# KiCad board PSEC5_Ctrl_Board.kicad_pcb (continued)
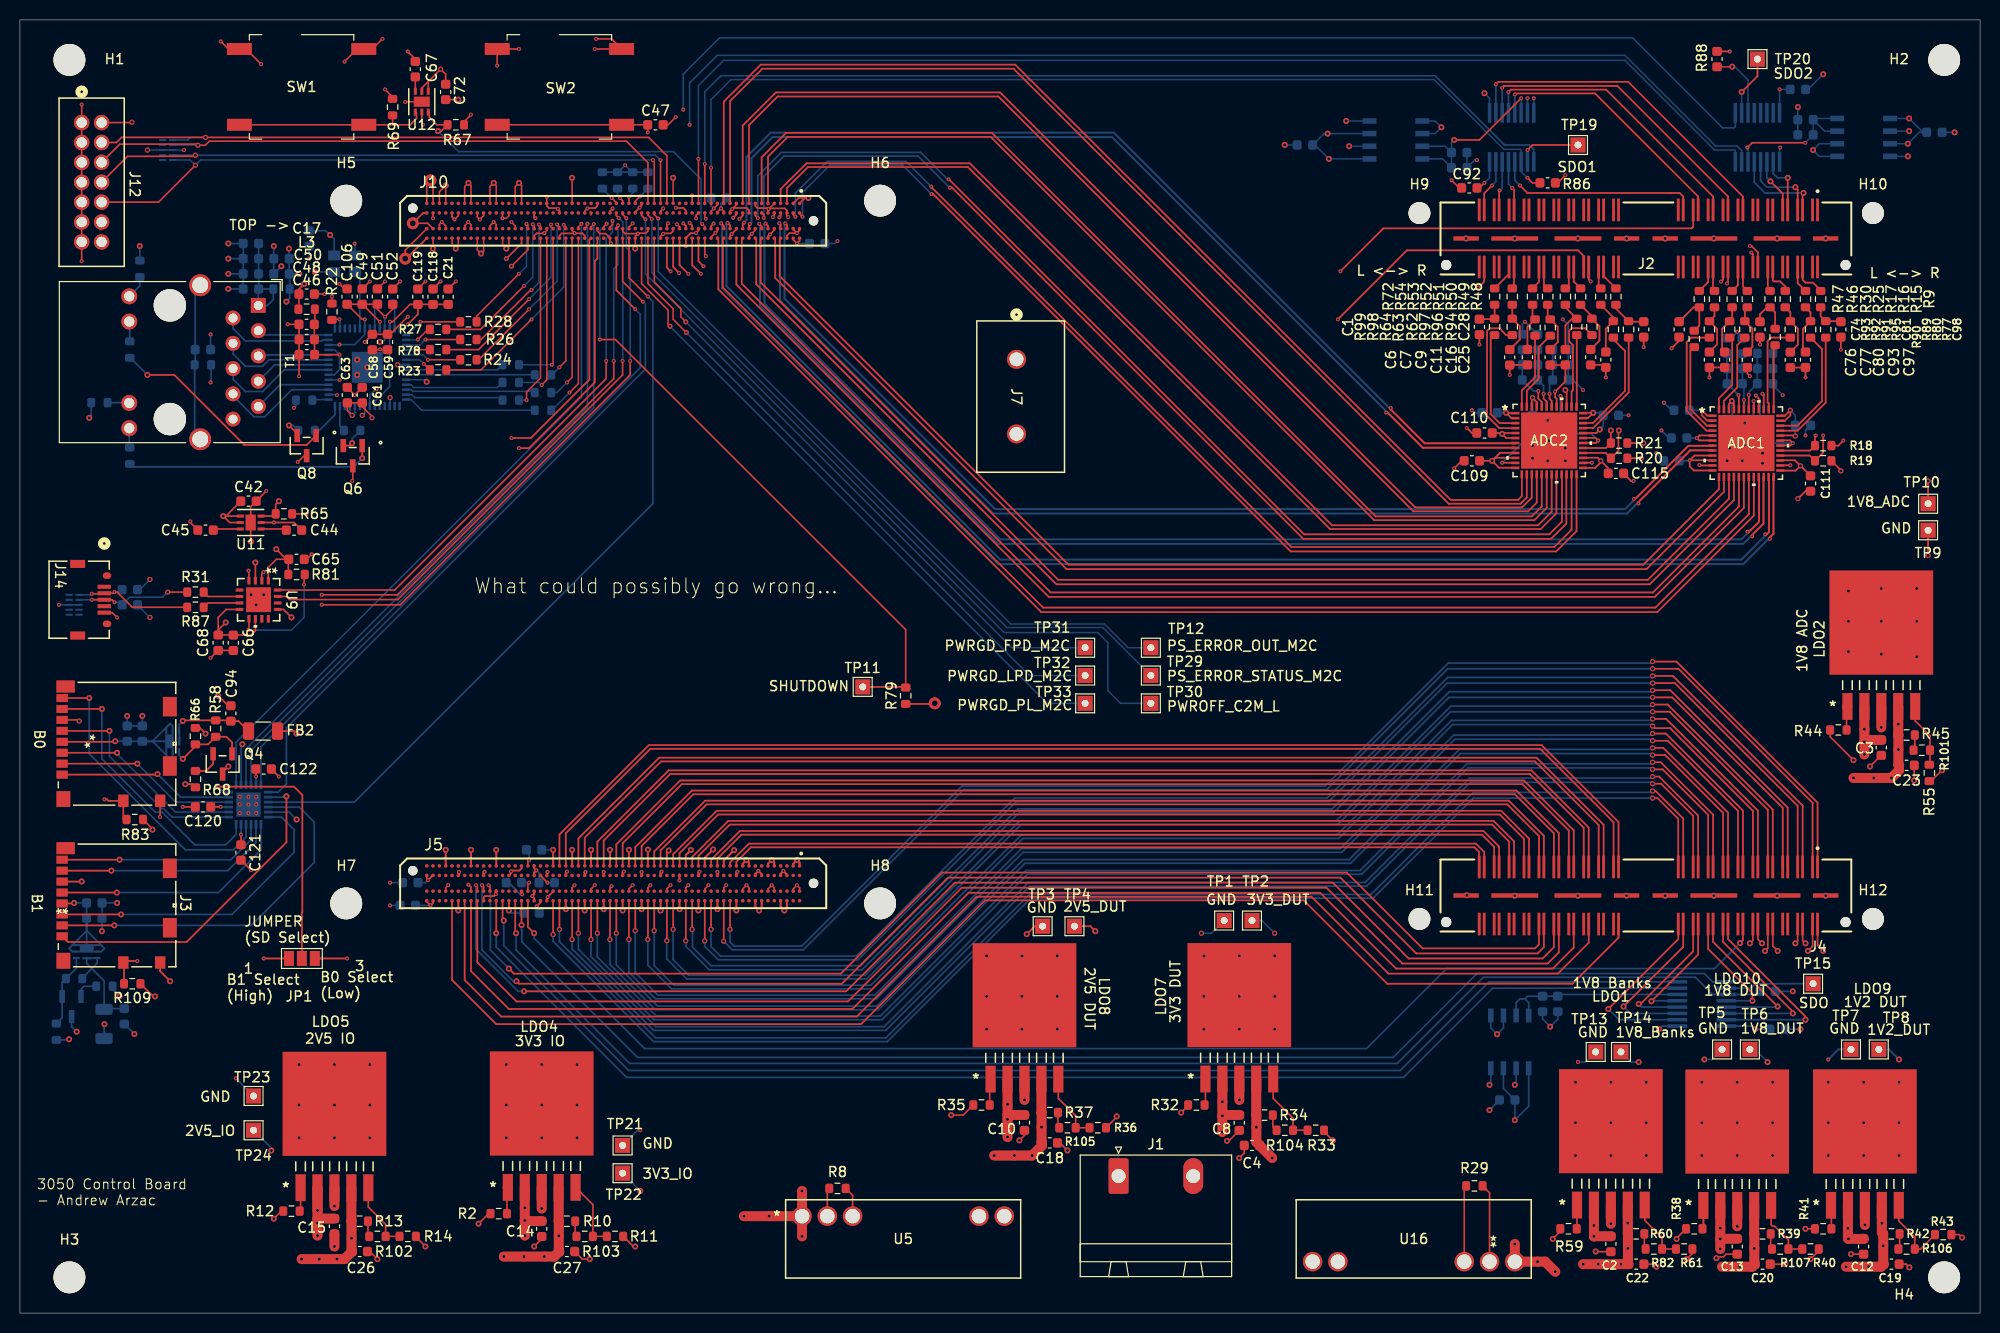
[diagram p0: board, top side]
## Routing (per net, layer and track width the routed paths; a pad name or vN(x,y) marks a point on that pad's centre or on a via; arc(x,y) is an arc through that point) (continued)
VDD_BUCK_2V5: length 36.4
  Top w0.159: v2(154.04,7.46) 154.8,8.22 R59.1 ; R44.1 181.91,57.94 v2(184.26,55.59) ; v2(166.48,7.46) 166.48,7.52 R38.1 ; R41.1 v2(179.44,8.48)
  Top w1: v2(170.88,7.46) v2(170.88,8.55) LDO10.2 ; v2(170.88,7.46) v2(170.88,6.45) ; v2(170.88,7.46) 170.89,7.47 C13.1 ; v2(185.36,57.44) 185.55,57.63 C3.1 ; v2(185.36,57.44) v2(185.36,58.71) LDO2.2 ; v2(185.36,57.44) v2(185.36,56.17) ; v2(150.23,6.95) U16.1 v2(152.51,5.18) 153.28,5.18 v2(154.29,4.16) ; C12.1 185.27,7.46 v2(183.75,7.46) 183.7,7.51 v2(183.7,8.53) LDO9.2 ; C2.1 158.19,7.73 v2(158.18,7.72) v2(158.18,8.81) LDO1.2
VDD_BUCK_5V: length 63
  Top w0.159: J10.D60 38.83,106.01 v4(38.72,106.01) 38.72,106.87 J10.C60 ; v2(25.51,9.49) 26.28,10.26 R12.1 ; 95.81,20.92 94.79,19.91 v2(93.59,19.91) ; J10.A60 40.89,113.51 v4(41.26,113.89) 41.52,113.63 J10.A59 ; R32.1 117.4,20.86 v2(116.7,20.16) ; J10.C59 40.98,109.57 v4(39.48,109.57) 40.53,110.61 J10.B60 ; v2(46.09,8.99) 47.1,10 R2.1
  Top w1: 99.25,19.91 99.26,19.92 C10.1 ; 99.25,19.91 v2(99.25,19.48) v2(99.25,17.7) ; 99.25,19.91 v2(99.25,21) LDO8.2 ; C8.1 120.93,19.92 v2(120.84,19.83) ; v2(120.84,18.21) v2(120.84,19.83) ; v2(120.84,19.83) v2(120.84,21.25) LDO7.2 ; C14.1 50.8,9.25 v2(50.74,9.32) ; 29.91,9.49 v2(29.91,9.06) v2(29.91,7.79) ; 29.91,9.49 v2(29.91,10.33) LDO5.2 29.91,10.26 ; 29.91,9.49 29.92,9.51 C15.1 ; v2(50.74,9.32) v2(50.74,7.79) ; v2(50.74,9.32) v2(50.74,10.59) LDO4.2 ; U5.1 v2(78.6,7.72) ; U5.1 v2(75.3,9.75) v2(72.76,9.75) ; U5.1 v2(78.6,12.29)
/SOM240_1(1.5)/ADC1_SCLK/DTP: length 141.9
  Top w0.171: v1(75.68,110.2) 75.81,110.34 J10.B05 ; v1(181.22,88.23) 181.22,86.52 R19.2 179.86,86.22 ADC1.28
  In2.Cu w0.171: v1(75.68,110.2) 75.81,110.33 75.81,116.43 77.46,118.08 121.14,118.08 126.86,112.36 174.37,112.36 181.22,105.52 v1(181.22,88.23)
/SOM240_1(1.5)/ADC1_SDIO/ODM: length 138
  Top w0.171: ADC1.29 179.89,86.72 R18.2 180.39,88.17 v1(180.45,88.23) ; J10.B04 76.45,110.3 v1(76.31,110.17)
  In2.Cu w0.171: v1(180.45,88.23) 180.45,105.76 177.15,109.06 128.64,109.06 120.25,117.44 78.09,117.44 76.31,115.67 v1(76.31,110.17)
/SOM240_1(1.5)/ADC2_SCLK/DTP: length 120.1
  Top w0.171: v1(71.67,110.12) 72,110.45 J10.B11 ; v2(160.68,88.74) 160.64,88.7 160.64,86.71 R20.2 159.35,86.48 ADC2.28
  In7.Cu w0.171: v2(160.68,88.74) 160.68,105.47 153.78,112.36 126.86,112.36 122.29,116.94 78.48,116.94 v1(71.67,110.12)
/SOM240_1(1.5)/ADC2_SDIO/ODM: length 116.6
  Top w0.171: v2(159.88,88.74) R21.2 159.39,86.98 ADC2.29 ; J10.B10 72.64,110.34 v1(72.31,110.01)
  In7.Cu w0.171: v1(72.31,110.01) 78.72,116.43 121.78,116.43 129.15,109.06 156.38,109.06 159.88,105.56 v2(159.88,88.74)
/SOM240_1(1.5)/ADC_CLK1+: length 113.7
  Top w0.171: v1(76.31,109.57) 76.45,109.44 J10.C04
  Top w0.2: v1(162.65,81.4) 162.65,81.54 167.85,86.75 170.06,86.75 ADC1.8
  Bottom w0.2: v1(162.65,81.4) 162.51,81.4 161.5,80.39 97.81,80.39 76.39,101.81 76.39,109.49 v1(76.31,109.57)
/SOM240_1(1.5)/ADC_CLK1-: length 113
  Top w0.171: v1(76.91,109.57) 77.08,109.4 J10.C03
  Top w0.2: ADC1.7 170.06,87.2 167.67,87.2 162.33,81.86 v1(162.19,81.86)
  Bottom w0.2: v1(162.19,81.86) 162.19,81.72 161.31,80.84 98,80.84 76.84,102 76.84,109.49 v1(76.91,109.57)
/SOM240_1(1.5)/ADC_CLK2+: length 97.8
  Top w0.171: v1(73.35,109.5) 73.27,109.41 J10.C09
  Top w0.2: v1(137.3,90.54) 137.44,90.54 140.98,87 150.25,87 ADC2.8
  Bottom w0.2: v1(73.35,109.5) 73.52,109.66 73.52,116.11 75.64,118.23 109.75,118.23 137.3,90.68 v1(137.3,90.54)
/SOM240_1(1.5)/ADC_CLK2-: length 98.7
  Top w0.171: J10.C10 72.64,109.5 v1(72.77,109.63)
  Top w0.2: v1(137.76,91) 137.76,90.86 141.16,87.45 150.25,87.45 ADC2.7
  Bottom w0.2: v1(72.77,109.63) 73.01,109.87 73.01,116.24 75.46,118.68 109.93,118.68 137.62,91 v1(137.76,91)
/SOM240_1(1.5)/ADC_DOUT1+: length 130.6
  Top w0.171: ADC1.20 174.24,80.18 164.54,70.48 102.64,70.48 70.19,102.93 70.19,107.98 J10.D14 ; 174.24,84.09 174.22,84.06
/SOM240_1(1.5)/ADC_DOUT1-: length 129.1
  Top w0.171: ADC1.19 173.74,80.32 164.36,70.93 102.82,70.93 70.64,103.12 70.64,107.98 J10.D13 ; 173.74,84.09 173.77,84.06
/SOM240_1(1.5)/ADC_DOUT2+: length 125.8
  Top w0.171: ADC1.18 173.24,80.96 164.29,72.01 103.4,72.01 72,103.4 J10.D11 ; 173.24,84.09 173.22,84.06
/SOM240_1(1.5)/ADC_DOUT2-: length 124.3
  Top w0.171: 172.74,84.09 172.77,84.06 ; ADC1.17 172.74,81.1 164.1,72.46 103.58,72.46 72.54,103.5 72.54,107.98 J10.D10
/SOM240_1(1.5)/ADC_DOUT3+: length 121.3
  Top w0.171: J10.D08 74,107.98 74,103.44 104.16,73.28 163.78,73.28 172.24,81.74 ADC1.16 ; 172.24,84.09 172.22,84.06
/SOM240_1(1.5)/ADC_DOUT3-: length 119.8
  Top w0.171: 171.74,84.09 171.77,84.06 ; ADC1.15 171.74,81.87 163.6,73.73 104.35,73.73 74.45,103.62 74.45,107.98 J10.D07
/SOM240_1(1.5)/ADC_DOUT4+: length 116.2
  Top w0.171: 171.24,84.09 171.22,84.06 ; J10.D05 75.9,107.98 75.9,104.07 105.18,74.8 163.46,74.8 171.24,82.58 ADC1.14
/SOM240_1(1.5)/ADC_DOUT4-: length 114.7
  Top w0.171: J10.D04 76.35,107.98 76.35,104.26 105.36,75.25 163.15,75.25 170.74,82.84 ADC1.13 ; 170.74,84.09 170.77,84.06
/SOM240_1(1.5)/ADC_DOUT5+: length 99.4
  Top w0.171: 154.43,84.34 154.41,84.32 154.41,80.41 152.83,78.84 131.65,78.84 95.26,115.23 79.19,115.23 77.08,113.11 J10.A03
/SOM240_1(1.5)/ADC_DOUT5-: length 99.4
  Top w0.171: J10.A04 76.45,113 79.04,115.6 95.47,115.6 131.86,79.21 152.57,79.21 153.93,80.57 153.93,84.34
/SOM240_1(1.5)/ADC_DOUT6+: length 103.6
  Top w0.171: J10.A06 75.18,116.27 77.16,118.25 97.56,118.25 136.09,79.72 152.2,79.72 153.43,80.96 153.43,84.34
/SOM240_1(1.5)/ADC_DOUT6-: length 103.7
  Top w0.171: ADC2.17 152.93,81.1 151.94,80.11 136.24,80.11 97.68,118.66 76.99,118.66 74.54,116.21 J10.A07 ; 152.93,84.34 152.96,84.32
/SOM240_1(1.5)/ADC_DOUT7+: length 108.7
  Top w0.171: J10.A09 73.27,119.45 76.14,122.32 98.33,122.32 140.03,80.61 151.56,80.61 152.43,81.48 ADC2.16 ; 152.41,84.32 152.43,84.34
/SOM240_1(1.5)/ADC_DOUT7-: length 108.6
  Top w0.171: J10.A10 72.64,119.39 75.97,122.73 98.5,122.73 140.22,81 150.95,81 151.93,81.98 ADC2.15 ; 151.96,84.32 151.93,84.34
/SOM240_1(1.5)/ADC_DOUT8+: length 112.4
  Top w0.171: ADC2.14 151.43,82.01 150.8,81.38 143.59,81.38 99.85,125.11 74.62,125.11 71.37,121.86 J10.A12 ; 151.43,84.34 151.41,84.32
/SOM240_1(1.5)/ADC_DOUT8-: length 112.5
  Top w0.171: 150.93,84.34 150.96,84.32 ; J10.A13 70.73,121.8 74.45,125.52 100.02,125.52 143.79,81.76 150.54,81.76 150.93,82.14 ADC2.13
/SOM240_1(1.5)/CLR_DAC*: length 132.3
  Top w0.15: v2(172.07,125.32) 172.06,125.3 R88.1 ; v1(69.46,115.16) 69.46,115.15 J10.A15
  Top w0.159: R86.1 152,113.63 v1(151.5,114.14)
  In7.Cu w0.15: v2(172.07,125.32) 164.71,117.95 160.13,117.95 157.34,115.16 152.51,115.16 v1(151.5,114.14)
  Bottom w0.15: v2(172.07,125.32) 172.32,125.32 173.66,123.98 U4.11 ; v1(151.5,114.14) 150.86,114.78 U2.11 150.86,116.88 150.74,117.01 149.12,117.01 142.11,124.02 71.46,124.02 69.46,122.02 v1(69.46,115.16)
/SOM240_1(1.5)/CS/LD_DAC1*: length 92.4
  Top w0.159: J10.B16 68.83,110.13 v1(68.92,110.03)
  In2.Cu w0.15: v1(68.92,110.03) 68.92,111.32 82.06,124.46 149.22,124.46 151.5,122.18 v1(151.5,122.14)
  Bottom w0.159: U2.7 v1(151.5,122.14)
/SOM240_1(1.5)/CS/LD_DAC2*: length 126.9
  Top w0.171: J10.C18 67.56,109.35 v1(67.31,109.6)
  In2.Cu w0.159: v1(67.31,109.6) 67.04,109.87 67.04,119.22 v1(67.3,119.48)
  Bottom w0.159: v1(67.3,119.48) 67.3,123.67 70.08,126.45 161.29,126.45 170.4,117.34 172.57,117.34 173.02,116.89 U4.7
/SOM240_1(1.5)/DataClk1+: length 131.4
  Top w0.171: v1(70.47,109.57) 70.73,109.31 J10.C13
  Top w0.2: v1(175.86,77.84) 175.86,77.98 176.22,78.35 176.22,84.04 ADC1.24
  Bottom w0.2: v1(175.86,77.84) 175.72,77.84 173.18,75.31 98.32,75.31 70.55,103.07 70.55,109.49 v1(70.47,109.57)
/SOM240_1(1.5)/DataClk1-: length 130
  Top w0.171: v1(71.12,109.6) 71.37,109.35 J10.C12
  Top w0.2: ADC1.23 175.77,84.04 175.77,78.53 175.54,78.3 v1(175.4,78.3)
  Bottom w0.2: v1(71.12,109.6) 71,109.49 71,103.26 98.5,75.76 172.99,75.76 175.4,78.16 v1(175.4,78.3)
/SOM240_1(1.5)/DataClk2+: length 104.5
  Top w0.171: v1(91.6,112.52) 91.76,112.52 127.7,76.58 154.38,76.58 156.43,78.63 ADC2.24 ; J10.B01 78.35,110.53 v1(78.65,110.23)
  Bottom w0.171: v1(78.65,110.23) 78.65,112.67 81.41,115.43 88.69,115.43 v1(91.6,112.52)
/SOM240_1(1.5)/DataClk2-: length 104.5
  Top w0.171: v1(77.93,110.22) 77.72,110.43 J10.B02 ; ADC2.23 155.93,78.76 154.2,77.03 127.78,77.03 91.59,113.22 v1(91.59,113.25)
  Bottom w0.171: v1(91.59,113.25) 89.04,115.8 81.13,115.8 77.93,112.6 v1(77.93,110.22)
/SOM240_1(1.5)/ETH_MDC: length 24.2
  Top w0.159: J10.D44 51.05,106.91 v5(49.39,105.25)
  In7.Cu w0.159: v5(49.39,105.25) 49.22,105.25 36.9,92.93 v5(35.8,92.93)
  Bottom w0.159: v5(35.8,92.93) 35.16,92.29 U1.7
/SOM240_1(1.5)/ETH_MDIO: length 26.3
  Top w0.159: J10.D45 50.41,107.54 v5(48.88,106.01)
  In7.Cu w0.159: v5(48.88,106.01) 47.44,106.01 34.4,92.97 v3(34.4,90.27)
  Bottom w0.159: U1.8 34.66,90.52 v3(34.4,90.27)
/SOM240_1(1.5)/ETH_RX_CLK: length 19.3
  Top w0.15: v1(53.37,109.43) 53.37,109.25 J10.C40 53.59,109.04
  Top w0.159: R78.2 46.09,96.87 v1(51.17,101.95)
  Bottom w0.15: v1(51.17,101.95) 53.37,104.15 v1(53.37,109.43)
/SOM240_1(1.5)/ETH_RX_CTRL: length 12.6
  Top w0.15: 46.09,99.66 R28.2 45.9,100.23 v1(50.15,104.49)
  Top w0.159: v1(50.91,109.49) 51.05,109.36 J10.C44
  Bottom w0.15: v1(50.15,104.49) 50.91,105.25 v1(50.91,109.49)
/SOM240_1(1.5)/ETH_RXD0: length 16.7
  Top w0.159: v1(50.66,103.27) 46.29,98.9 R27.2 ; v1(51.54,109.45) 51.68,109.32 J10.C43
  Bottom w0.159: v1(50.66,103.27) 51.54,104.15 v1(51.54,109.45)
/SOM240_1(1.5)/ETH_RXD1: length 14.9
  Top w0.159: v1(51.42,102.87) 51.33,102.87 46.34,97.89 R26.2 ; J10.C42 52.32,109.28 v1(52.16,109.44)
  Bottom w0.159: v1(51.42,102.87) 52.16,103.61 v1(52.16,109.44)
/SOM240_1(1.5)/ETH_RXD2: length 17.7
  Top w0.15: v1(51.17,100.93) 46.09,95.85 R24.2 45.9,96.03 ; v1(53.99,109.45) 54.22,109.22 J10.C39
  Bottom w0.15: v1(51.17,100.93) 53.99,103.76 v1(53.99,109.45)
/SOM240_1(1.5)/ETH_RXD3: length 22
  Top w0.15: v1(51.42,99.92) 46.34,94.84 R23.2
  Top w0.159: v1(54.65,109.42) 54.86,109.21 J10.C38
  Bottom w0.15: v1(51.42,99.92) 54.65,103.15 v1(54.65,109.42)
/SOM240_1(1.5)/ETH_TX_CLK: length 10
  Bottom w0.15: U1.53 39.32,93.34 39.61,93.06 47.99,93.06 R6.2
/SOM240_1(1.5)/ETH_TX_CTRL: length 13.4
  Bottom w0.15: R1.2 40.37,90.77 39.3,91.84 U1.56
/SOM240_1(1.5)/ETH_TXD0: length 9.9
  Bottom w0.15: R5.2 48,94.84 U1.50
/SOM240_1(1.5)/ETH_TXD1: length 12.9
  Bottom w0.15: U1.51 51.73,94.34 R4.2
/SOM240_1(1.5)/ETH_TXD2: length 13.1
  Bottom w0.15: U1.54 39.33,92.84 39.49,92.68 51.61,92.68 R3.2
/SOM240_1(1.5)/ETH_TXD3: length 9.9
  Bottom w0.15: U1.55 39.39,92.34 39.69,92.04 48.25,92.04 R7.2
/SOM240_1(1.5)/ethernet1/ETH_LED0: length 3.5
  Bottom w0.171: R112.1 30.08,88.74 31.66,90.32 U1.14
/SOM240_1(1.5)/ethernet1/ETH_LED1: length 2.6
  Bottom w0.171: R113.1 32.16,89.14 U1.13
/SOM240_1(1.5)/ethernet1/OSC25_OUT: length 5.9
  Bottom w0.159: U1.34 34.16,104.19 Y3.3
/SOM240_1(1.5)/ethernet1/PHY_MDI0_N: length 7.2
  Bottom w0.171: U1.28 24.39,98.34 T1.3
/SOM240_1(1.5)/ethernet1/PHY_MDI0_P: length 11.2
  Bottom w0.171: T1.2 21.42,98.98 22.66,97.74 30.32,97.74 30.42,97.84 U1.27
/SOM240_1(1.5)/ethernet1/PHY_MDI1_N: length 7.1
  Bottom w0.171: T1.5 24.07,96.34 U1.24
/SOM240_1(1.5)/ethernet1/PHY_MDI1_P: length 11.4
  Bottom w0.171: U1.23 25.03,95.84 24.39,95.2 22.66,95.2 21.42,96.44 21.42,97.5
/SOM240_1(1.5)/ethernet1/PHY_MDI2_N: length 7.7
  Bottom w0.171: T1.7 25.61,95.34 U1.22
/SOM240_1(1.5)/ethernet1/PHY_MDI2_P: length 12.1
  Bottom w0.171: U1.21 26.57,94.84 24.39,92.66 22.66,92.66 21.42,93.9 T1.6
/SOM240_1(1.5)/ethernet1/PHY_MDI3_N: length 8
  Bottom w0.171: U1.18 26.15,93.34 T1.9
/SOM240_1(1.5)/ethernet1/PHY_MDI3_P: length 11.8
  Bottom w0.171: 21.42,92.42 21.42,92.23 23.53,90.12 24.6,90.12 27.33,92.84 U1.17
/SOM240_1(1.5)/ethernet1/PHY_VCC: length 10.5
  Bottom w0.171: C56.1 C55.1 C54.1 C53.1 ; C53.1 23.96,102.94 T1.1 24.88,101.31 25.46,101.9 L5.1 C53.1
/SOM240_1(1.5)/FrameClk1+: length 125.2
  Top w0.171: J10.C07 74.54,109.27 v1(74.29,109.51)
  Top w0.2: v1(174.08,78.1) 174.08,78.24 175.22,79.38 175.22,84.04 ADC1.22
  Bottom w0.2: v1(74.29,109.51) 74.37,109.43 74.37,101.28 98.32,77.34 173.18,77.34 173.94,78.1 v1(174.08,78.1)
/SOM240_1(1.5)/FrameClk1-: length 123.8
  Top w0.171: v1(74.94,109.55) 75.18,109.31 J10.C06
  Top w0.2: v1(173.62,78.56) 173.76,78.56 174.77,79.56 174.77,84.04 ADC1.21
  Bottom w0.2: v1(173.62,78.56) 173.62,78.42 172.99,77.79 98.5,77.79 74.82,101.47 74.82,109.43 v1(74.94,109.55)
/SOM240_1(1.5)/FrameClk2+: length 107.8
  Top w0.171: v1(93.46,113.16) 93.66,113.16 128.97,77.85 153.88,77.85 155.41,79.38 155.41,84.3 ADC2.22 ; v1(74.75,110.12) 74.75,110.4 J10.B07
  Bottom w0.171: v1(74.75,110.12) 74.76,110.13 74.76,114.3 76.78,116.33 90.26,116.33 93.42,113.16 v1(93.46,113.16)
/SOM240_1(1.5)/FrameClk2-: length 107.8
  Top w0.171: ADC2.21 154.96,84.3 154.96,79.56 153.69,78.3 129.05,78.3 93.35,114 v1(93.33,114) ; v1(74.15,110.1) 73.91,110.34 J10.B08
  Bottom w0.171: v1(74.15,110.1) 74.15,114.33 76.52,116.7 90.52,116.7 93.22,114 v1(93.33,114)
/SOM240_1(1.5)/FWUEN_B: length 26.4
  Top w0.159: v1(63.09,118.71) C47.1 SW2.3 SW2.4 ; v1(61.58,109.57) 61.21,109.19 J10.C28
  In2.Cu w0.159: v1(63.09,118.71) 61.68,117.3 61.68,109.67 v1(61.58,109.57)
/SOM240_1(1.5)/JTAG_CLK: length 63.4
  Top w0.159: J10.A25 63.11,115.66 60.95,117.82 19.04,117.82 18.62,117.41 v3(17.89,117.41) 17.78,117.53 10.04,117.53 J12.6
  Bottom w0.159: U3.2 17.87,117.43 v3(17.89,117.41)
/SOM240_1(1.5)/JTAG_TDI: length 64.1
  Top w0.159: v3(17.64,115.41) 13.92,111.7 J12.10 ; v1(63.61,115.92) 63.75,115.79 J10.A24
  Bottom w0.159: U3.5 17.12,115.93 v3(17.64,115.41) 18.16,115.93 63.6,115.93 v1(63.61,115.92)
/SOM240_1(1.5)/JTAG_TDO: length 64.2
  Top w0.159: v1(64.38,115.91) J10.A23 ; v3(17.64,116.41) 17.53,116.3 10.81,116.3 J12.8
  Bottom w0.159: v1(64.38,115.91) 63.88,116.41 v3(17.64,116.41) 17.62,116.44 U3.4
/SOM240_1(1.5)/JTAG_TMS: length 66
  Top w0.159: J12.4 9.7,117.7 10.21,118.21 v3(18.66,118.21) 63.18,118.21 65.02,116.37 J10.A22
  Bottom w0.159: U3.1 15.36,117.95 16.88,117.95 17.13,118.21 v3(18.66,118.21)
/SOM240_1(1.5)/MODE0: length 2
  Top w0.159: J10.A27 61.84,111.8 v1(62.31,112.27)
  Bottom w0.159: v1(62.31,112.27) R75.2
/SOM240_1(1.5)/MODE1: length 1.6
  Top w0.159: v1(61.2,112.24) 61.21,112.23 J10.A28
  Bottom w0.159: R73.2 61.58,112.62 v1(61.2,112.24)
/SOM240_1(1.5)/MODE2: length 1.7
  Top w0.159: J10.A29 60.57,111.85 v1(60.31,112.11)
  Bottom w0.159: v1(60.31,112.11) 60.06,112.36 R71.2
/SOM240_1(1.5)/MODE3: length 2.1
  Top w0.159: J10.A30 59.94,111.66 v1(59.47,112.13)
  Bottom w0.159: v1(59.47,112.13) 58.53,113.06 R70.2
/SOM240_1(1.5)/Peripherals_Ctrl1/READOUT1+: length 12.3
  Top w0.171: R77.2 181.47,91.54 178.65,88.72 ADC1.33
/SOM240_1(1.5)/Peripherals_Ctrl1/READOUT1-: length 12.1
  Top w0.171: R80.2 181.1,96.92 181.1,91.7 178.62,89.22 ADC1.34
/SOM240_1(1.5)/Peripherals_Ctrl1/READOUT2+: length 9.3
  Top w0.171: ADC1.38 175.74,91.45 175.63,91.57 175.63,97.72 175.98,98.08 R89.2
/SOM240_1(1.5)/Peripherals_Ctrl1/READOUT2-: length 6.5
  Top w0.171: ADC1.37 176.24,97.17 R90.2
/SOM240_1(1.5)/Peripherals_Ctrl1/READOUT3+: length 8.4
  Top w0.171: R95.2 172.58,97.31 172.58,93.06 171.24,91.72 171.24,90.89 ; 173.59,98.08 173.35,97.83
/SOM240_1(1.5)/Peripherals_Ctrl1/READOUT3-: length 8.2
  Top w0.171: 172.06,97.83 R91.2 172.07,97.82 172.07,93.31 170.74,91.99 170.74,90.89
/SOM240_1(1.5)/Peripherals_Ctrl1/READOUT4+: length 12.8
  Top w0.171: R92.2 167.94,98.08 167.5,97.63 167.5,90.71 169.49,88.72 ADC1.4
/SOM240_1(1.5)/Peripherals_Ctrl1/READOUT4-: length 9.3
  Top w0.171: ADC1.3 169.54,89.22 167.87,90.89 167.87,96.73 R93.2
/SOM240_1(1.5)/Peripherals_Ctrl1/READOUT5+: length 11.6
  Top w0.171: 157.09,89 158.1,89 161.67,92.56 161.67,98.06 R94.2
/SOM240_1(1.5)/Peripherals_Ctrl1/READOUT5-: length 11.4
  Top w0.171: R96.2 160.13,97.91 161.3,96.74 161.3,92.72 158.08,89.49 157.09,89.49
/SOM240_1(1.5)/Peripherals_Ctrl1/READOUT6+: length 10.5
  Top w0.171: R97.2 157.29,99.02 155.93,99.02 155.69,98.78 155.69,97.7 156.07,97.32 156.07,92.81 155.93,92.67 ADC2.38
/SOM240_1(1.5)/Peripherals_Ctrl1/READOUT6-: length 7.2
  Top w0.171: ADC2.37 156.45,91.15 R62.2
/SOM240_1(1.5)/Peripherals_Ctrl1/READOUT7+: length 8.1
  Top w0.171: 151.43,91.15 151.43,92.74 152.63,93.94 152.63,97.11 R63.2
/SOM240_1(1.5)/Peripherals_Ctrl1/READOUT7-: length 8
  Top w0.171: ADC2.48 150.93,92.77 152.26,94.09 R64.2 152.51,98.01
/SOM240_1(1.5)/Peripherals_Ctrl1/READOUT8+: length 14.8
  Top w0.171: R98.2 149.36,98.33 148.68,99.02 147.71,99.02 147.43,98.74 147.43,90.21 148.67,88.98 ADC2.4
/SOM240_1(1.5)/Peripherals_Ctrl1/READOUT8-: length 11
  Top w0.171: R99.2 147.81,97.94 147.81,90.39 148.71,89.48 ADC2.3
/SOM240_1(1.5)/SCK_DAC1: length 94.1
  Top w0.159: 68.19,110.57 J10.B17 67.96,110.38 v1(67.96,110.08)
  In2.Cu w0.15: v1(67.96,110.08) 67.96,110.96 81.8,124.81 149.5,124.81 152.13,122.18 v1(152.13,122.14)
  Bottom w0.159: U2.8 v1(152.13,122.14)
/SOM240_1(1.5)/SCK_DAC2: length 122
  Top w0.15: v1(68.19,116.05) 68.19,116.04 J10.A17
  Bottom w0.15: v1(68.19,116.05) 68.19,123.41 70.72,125.95 161.29,125.95 170.31,116.94 172.32,116.94 172.39,116.87 U4.8
/SOM240_1(1.5)/SD_CLK: length 78.8
  Top w0.159: J10.D28 61.21,104.1 v1(63.11,102.2)
  Bottom w0.159: v1(63.11,102.2) 63.61,101.7 63.61,95.09
  Bottom w0.171: U17.9 33.6,51.37 63.61,81.38 63.61,95.09
/SOM240_1(1.5)/SD_CMD: length 71.2
  Top w0.159: J10.C34 57.4,109.21 v1(57.67,109.48)
  Bottom w0.159: U17.4 23.22,56.58 57.67,91.02 v1(57.67,109.48)
/SOM240_1(1.5)/SD_DAT0: length 71.8
  Top w0.159: v1(61.83,100.93) 59.94,102.83 J10.D30
  Bottom w0.159: v1(61.83,100.93) 62.34,100.43 62.34,95.05 24.22,56.93 U17.6
/SOM240_1(1.5)/SD_DAT1: length 72.9
  Top w0.159: v1(62.6,101.7) 60.57,103.72 J10.D29
  Bottom w0.159: v1(62.6,101.7) 62.85,101.44 62.85,94.92 28.14,60.21
  Bottom w0.171: U17.7 25.95,52.37 26.78,53.21 26.78,58.85 28.14,60.21
/SOM240_1(1.5)/SD_DAT2: length 71.4
  Top w0.159: v1(56.43,109.52) 56.13,109.22 J10.C36
  Bottom w0.159: 21.72,56.8 21.72,57.39 56.43,92.09 v1(56.43,109.52)
  Bottom w0.171: U17.1 21.72,56.8
/SOM240_1(1.5)/SD_DAT3: length 71.2
  Top w0.159: v1(57.03,109.52) 56.94,109.43 56.94,109.21 J10.C35
  Bottom w0.159: v1(57.03,109.52) 57.03,91.04 22.72,56.73 U17.3
/SOM240_1(1.5)/SD_DETECT_0: length 84.6
  Top w0.159: 10.27,51.38 J6.9 10.39,49.7 10.46,49.63
  Top w0.171: J6.9 8.9,51.5 8.75,51.66 v1(8.5,51.66) ; J10.D34 57.22,107.9 57.22,93.86 51.35,87.98 v1(49.39,87.98)
  In2.Cu w0.171: v1(49.39,87.98) 49.39,87.91 13.13,51.66 v1(8.5,51.66)
/SOM240_1(1.5)/SD_DETECT_1: length 102
  Top w0.171: R109.2 10.46,35.18 J3.9 10.55,35.4 v1(11.8,35.4) ; J10.D33 58.03,106.02 57.77,105.76 57.77,93.57 51.17,86.96 v1(50.15,86.96)
  In2.Cu w0.171: v1(50.15,86.96) 29.07,65.88 29.07,42.51 21.96,35.4 v1(11.8,35.4)
/SOM240_1(1.5)/SDcard1/CLKB_0: length 21.8
  Top w0.159: v2(9,58.54) J6.5
  Bottom w0.159: U17.19 15.29,49.87 14.44,50.73 14.25,50.73 9,55.98 v2(9,58.54)
/SOM240_1(1.5)/SDcard1/CLKB_1: length 24.3
  Top w0.171: v2(9.74,42.28) J3.5
  Bottom w0.171: v2(9.74,42.28) 19.95,42.28 24.22,46.56 U17.13
/SOM240_1(1.5)/SDcard1/CMDB_0: length 19.3
  Top w0.159: v2(9.77,56.34) J6.3
  Bottom w0.159: v2(9.77,56.34) 9.77,56.23 15.62,50.37 U17.20
/SOM240_1(1.5)/SDcard1/CMDB_1: length 31.3
  Top w0.171: v2(10.16,40.08) J3.3
  Bottom w0.171: v2(10.16,40.08) 21.31,40.08 27.55,46.32 27.55,48.61 26.28,49.87 U17.12
/SOM240_1(1.5)/SDcard1/DAT0B_0: length 27.5
  Top w0.171: v2(8.24,60.74) J6.7
  Bottom w0.171: v2(8.24,60.74) 8.24,55.72 13.6,50.36 14.28,50.36 17.56,47.09 20.69,47.09 21.72,48.12 U17.18
/SOM240_1(1.5)/SDcard1/DAT0B_1: length 22.5
  Top w0.171: v2(9.2,44.48) J3.7
  Bottom w0.171: v2(9.2,44.48) 20.88,44.48 23.72,47.33 U17.14
/SOM240_1(1.5)/SDcard1/DAT1B_0: length 29.9
  Top w0.171: v2(6.97,61.84) J6.8
  Bottom w0.171: v2(6.97,61.84) 6.97,56.23 16.62,46.58 21.45,46.58 22.72,47.85 U17.16
/SOM240_1(1.5)/SDcard1/DAT1B_1: length 21.4
  Top w0.171: v2(10.02,45.58) J3.8
  Bottom w0.171: U17.15 23.22,47.59 21.22,45.58 v2(10.02,45.58)
/SOM240_1(1.5)/SDcard1/DAT2B_0: length 17.7
  Top w0.171: J6.1 13.77,54.14 v2(13.83,54.2)
  Bottom w0.171: v2(13.83,54.2) 16.15,51.87 U17.23
/SOM240_1(1.5)/SDcard1/DAT2B_1: length 33.4
  Top w0.171: v2(26.78,51.96) 26.78,47.34 16.75,37.31 4.82,37.31 J3.1
  Bottom w0.171: U17.8 26.7,51.87 v2(26.78,51.96)
/SOM240_1(1.5)/SDcard1/DAT3B_0: length 18.4
  Top w0.159: v2(11.8,55.24) J6.2
  Bottom w0.159: v2(11.8,55.24) 15.66,51.37 U17.22
/SOM240_1(1.5)/SDcard1/DAT3B_1: length 37.3
  Top w0.171: v2(9.48,38.98) J3.2
  Bottom w0.171: U17.10 28.07,50.87 29.58,49.37 29.58,45.31 23.25,38.98 v2(9.48,38.98)
/SOM240_1(1.5)/SDcard1/SD_CARD_VCC_0: length 19.8
  Top w0.171: v2(9.58,57.5) 9.52,57.44 J6.4
  Bottom w0.171: 15.1,55.72 15.35,55.98 U14.1 ; 15.1,55.72 14.7,56.12 U14.1 ; 15.1,55.72 13.33,57.49 ; U14.1 14.7,58.88 15.1,59.28 ; 15.1,59.28 13.31,57.49 12.81,57.49 ; 15.1,59.28 15.35,59.02 U14.1 ; 13.33,57.49 12.81,57.49 ; 13.33,57.49 13.35,57.5 U14.1 ; 12.81,57.49 C82.1 C95.1 10.77,57.5 v2(9.58,57.5)
/SOM240_1(1.5)/SDcard1/SD_CARD_VCC_1: length 17.3
  Top w0.171: v2(5.45,41.24) 5.39,41.18 J3.4
  Bottom w0.171: 8.24,36.93 6.7,38.46 C43.1 ; 8.24,36.93 8.5,36.67 8.17,36.35 U6.1 ; 8.24,36.93 8.17,37 U6.1 ; U6.1 5.26,36.35 4.94,36.67 5.26,37 ; C43.1 6.7,36.68 U6.1 ; C43.1 6.7,38.44 5.26,37 ; C43.1 C108.1 v2(5.45,41.24) ; 5.26,37 U6.1
/SOM240_1(1.5)/SDI_DAC_BIAS: length 128.2
  Top w0.171: J10.C19 66.92,109.31 v1(66.66,109.57)
  In2.Cu w0.159: v1(66.66,109.57) 66.53,109.7 66.53,120.87 v1(66.66,121)
  Bottom w0.159: U4.9 172.39,119.28 172.27,119.16 171.11,119.16 162.06,128.21 70.32,128.21 66.66,124.56 v1(66.66,121)
/SOM240_1(1.5)/SDI_DAC_THRES: length 99.5
  Top w0.171: v1(68.83,115.53) J10.A16
  Bottom w0.159: 147.23,119.4 142.23,124.4 70.44,124.4 68.82,122.78 68.82,115.54 v1(68.83,115.53)
  Bottom w0.171: U2.9 152.13,116.99 151.68,117.44 149.19,117.44 147.23,119.4
/SOM240_1(1.5)/SHUTDOWN: length 65.5
  Top w0.159: v1(58.97,109.53) 58.67,109.23 J10.C32 ; R79.2 89.01,68.72 59.85,97.89 v1(58.28,97.89)
  Top w0.171: R79.2 88.95,62.96 TP11.1
  Bottom w0.159: v1(58.97,109.53) 58.28,108.84 v1(58.28,97.89)
/SOM240_1(1.5)/UART_CTS: length 63.7
  Top w0.159: U9.4 23.01,74.6 v1(22.97,74.64) ; J10.C30 59.94,109.04 60.1,109.21 v1(60.1,109.37) ; v1(59.68,95.73) 59.68,93.95 37.95,72.22 v1(30.34,72.22)
  In2.Cu w0.159: v1(22.97,74.64) 23.1,74.64 25.53,72.22 v1(30.34,72.22)
  Bottom w0.159: v1(60.1,109.37) 60.1,105.42 59.68,105 v1(59.68,95.73)
/SOM240_1(1.5)/UART_RTS: length 58.8
  Top w0.159: U9.16 37.66,72.7 58.91,93.95 v1(58.91,95.73) ; v1(59.55,109.82) 59.55,109.42 59.3,109.18 J10.C31
  Bottom w0.159: v1(58.91,95.73) 58.91,108.05 59.55,108.68 v1(59.55,109.82)
/SOM240_1(1.5)/UART_RXD: length 65.3
  Top w0.159: J10.B29 60.57,110.45 v1(60.95,110.08) ; v1(24.48,74.52) 24.31,74.35 U9.2 ; v1(61.33,95.73) 61.33,94.33 38.21,71.22 v1(30.34,71.22)
  In7.Cu w0.159: v1(30.34,71.22) 27.8,71.22 24.5,74.52 v1(24.48,74.52)
  Bottom w0.159: v1(61.33,95.73) 61.33,106.72 60.95,107.1 v1(60.95,110.08)
/SOM240_1(1.5)/UART_TXD: length 60.7
  Top w0.159: J10.B30 59.94,110.35 v1(60.18,110.1) ; U9.15 26.78,72.05 27.09,71.74 37.98,71.74 60.56,94.33 v1(60.56,95.73)
  Bottom w0.159: v1(60.56,95.73) 60.58,95.74 60.58,109.7 v1(60.18,110.1)
/SOM240_1(1.5)/USB-UART1/USB_RESET#: length 11.6
  Top w0.159: v1(28.56,73.25) 28.56,74.2 28.62,74.26 ; v1(22.97,68.68) 23.01,68.72 U9.9
  Bottom w0.159: v1(28.56,73.25) 28.56,69.95 27.29,68.68 v1(22.97,68.68)
/SOM240_2(1.5)/CLR_DAC*_ped: length 139.2
  Top w0.171: 49.78,41.55 49.78,38.28 v2(49.86,38.2)
  Bottom w0.171: v2(49.86,38.2) 49.86,36.51 61.28,25.1 138.4,25.1 147.07,33.77 168.37,33.77 170.1,32.04 U15.11 174.53,32.04 R108.1
/SOM240_2(1.5)/CS/LD_DAC_ped*: length 132.6
  Top w0.171: v2(47.86,38.2) 47.87,38.2 47.87,41.55
  Bottom w0.171: U15.7 148,32.67 139.03,23.7 60.97,23.7 47.86,36.81 v2(47.86,38.2)
/SOM240_2(1.5)/SCK_DAC_ped: length 131.5
  Top w0.171: 48.51,41.55 48.51,39.59 v2(48.63,39.47)
  Bottom w0.171: v2(48.63,39.47) 48.63,36.95 61.17,24.4 138.72,24.4 147.62,33.31 U15.8
/SOM240_2(1.5)/SDI_DAC_ped: length 133.9
  Top w0.171: v2(50.41,39.02) 50.41,41.55
  Bottom w0.171: v2(50.41,39.02) 50.41,38.47 50.44,38.44 50.44,37.33 62.06,25.71 138,25.71 146.43,34.14 169.27,34.14 170.1,33.31 U15.9
ADC_CNV: length 133.9
  Top w0.171: 157.65,39.1 157.65,37.24 154.54,34.13 137.53,34.13 129.79,41.87 96.15,41.87 84.09,29.81 48.37,29.81 44.7,33.49 44.7,41.55
ADC_SCLK: length 127.8
  Top w0.171: 45.97,41.55 45.97,35.27 49.9,31.34 83.22,31.34 94.65,42.77 131.3,42.77 138.92,35.15 153.53,35.15 154.65,36.27 154.65,39.1
ADC_SDI: length 127.5
  Top w0.171: v2(50.66,32.35) 83.03,32.35 93.95,43.28 131.94,43.28 139.56,35.66 153.02,35.66 154.15,36.78 154.15,39.1 ; 45.97,42.51 45.97,42.89 v1(45.83,43.02)
  Bottom w0.171: v1(45.83,43.02) 45.83,36.59 50.07,32.35 v2(50.66,32.35)
